# Altium PCB PCB_Kasli.PCBDOC (part 7 of 16)
Units mm, origin at the board's own origin, x right, y up, seen from the top; angles counter-clockwise.
Board outline 200.3 x 100 mm, 6 copper layers (TopLayer, MidLayer1, MidLayer2, SignalLayer1, Internal Plane 1, BottomLayer), stack 1.528 mm thick; 775 components, 636 nets, 3136 pads, 1724 vias.
Unrouted connection lines stored in the file: 7.
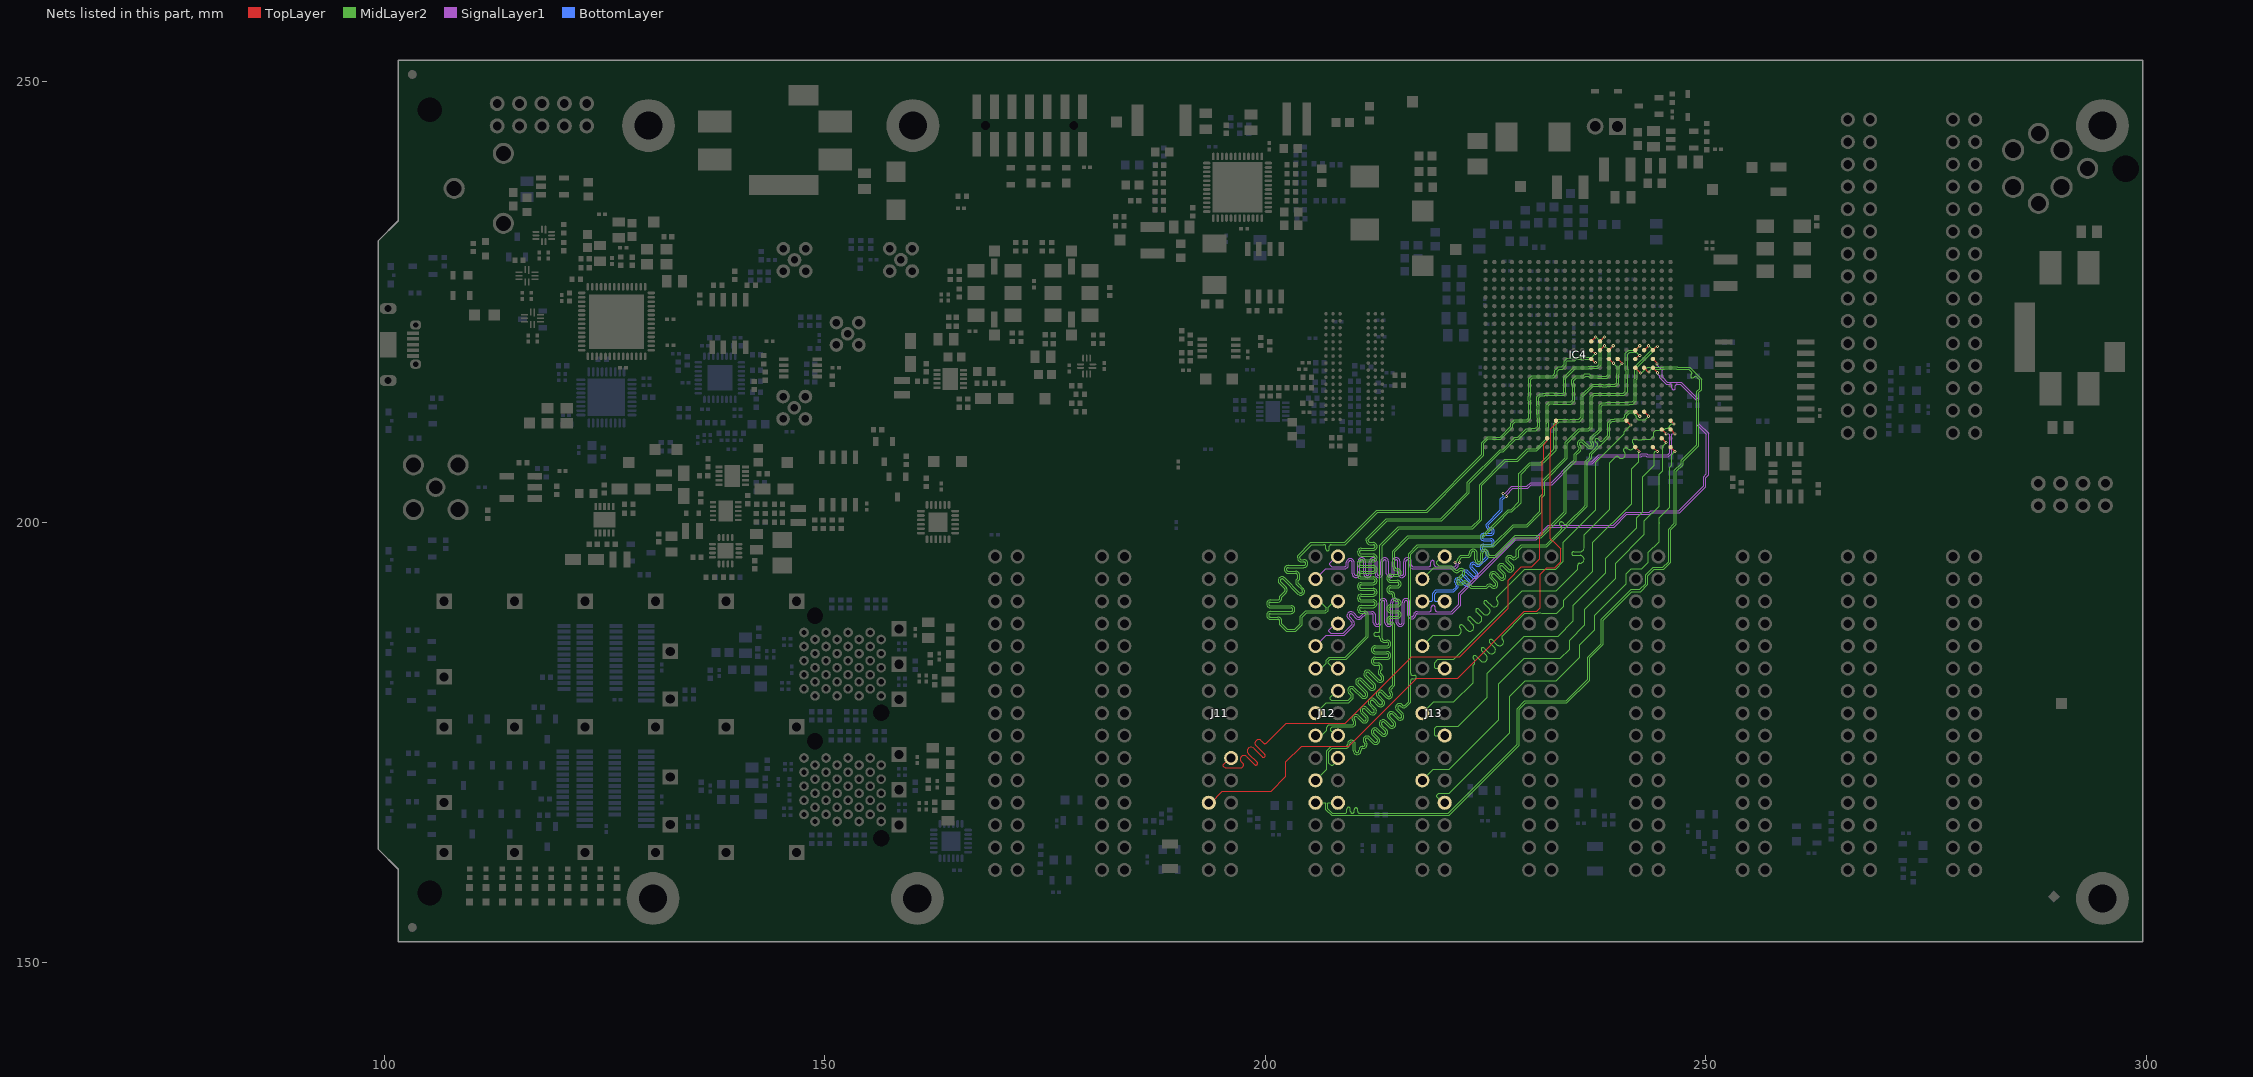
[diagram p11: the nets of this part, all layers, seen from the top]

## Via types
v1: diameter 0.5, hole 0.2, TopLayer to BottomLayer, tented both sides, 845 vias
v2: diameter 0.35, hole 0.15, TopLayer to BottomLayer, tented both sides, 612 vias
v3: diameter 0.8, hole 0.5, TopLayer to BottomLayer, tented both sides, 144 vias
v4: diameter 0.8, hole 0.5, TopLayer to BottomLayer, 66 vias
v5: diameter 0.5, hole 0.2, TopLayer to BottomLayer, 57 vias

## Nets (pads, with @x,y where several pads share a name; then routed paths per layer and width w, separated by ;. In a path a pad name is that pad's centre, name@x,y a point inside that pad or via, vN(x,y) a via of type N, cw(c..) or ccw(c..) an arc to the next point about the centre after c; other vN are vias at no path point) (continued)
EXT2.LVDS_P6: IC4.AA8 J11.20 | length 71.2
  TopLayer w0.095: J11.20@196.015,173.228 195.253,172.466 195.253,172.314 195.431,172.136 197.304,172.136 197.483,172.314 ccw(c197.343,172.453) 197.54,172.453 ccw(c197.343,172.453) 197.483,172.593 197.287,172.788 cw(c197.582,173.083) 197.287,173.379 cw(c197.582,173.083) 197.877,173.379 198.78,172.476 ccw(c198.919,172.616) 199.059,172.476 ccw(c198.919,172.616) 199.117,172.616 ccw(c198.919,172.616) 199.059,172.756 198.08,173.735 cw(c198.375,174.03) 198.08,174.325 cw(c198.375,174.03) 198.67,174.325 199.65,173.346 ccw(c199.789,173.486) 199.928,173.346 ccw(c199.789,173.486) 199.987,173.486 ccw(c199.789,173.486) 199.929,173.625 198.95,174.605 cw(c199.245,174.9) 198.95,175.195 cw(c199.245,174.9) 199.54,175.195 199.812,174.923 ccw(c199.952,175.062) 200.092,174.923 202.359,177.19 209.09,177.19 216.634,184.734 222.059,184.734 227.545,190.221 227.545,193.417 229.053,194.925 230.264,194.925 231.155,195.816 231.155,198.261 231.155,198.366 231.423,198.634 231.423,203.159 231.467,203.203 231.467,203.697 231.423,203.741 231.423,206.933 231.578,207.087 231.578,208.804 231.991,209.218 IC4.AA8@231.991,209.515
EXT2.LVDS_P7: IC4.W9 J11.23 | length 71.2
  TopLayer w0.095: J11.23@193.584,168.148 193.842,168.148 195.138,169.443 200.647,169.443 202.349,171.145 202.349,172.794 204.128,174.574 209.446,174.574 217.167,182.296 221.815,182.296 229.385,189.865 230.813,189.865 231.215,190.267 231.215,194.096 231.944,194.825 232.844,194.825 233.53,195.511 233.53,196.953 232.942,197.541 232.355,198.129 232.355,207.747 232.378,207.77 232.378,210.604 232.991,211.218 IC4.W9@232.991,211.515
EXT3.LVDS_N0: IC4.L20 J12.3 | length 81.5
  TopLayer w0.095: IC4.L20@243.991,219.515 244.449,219.973 244.475,219.948 v2(244.504,219.948)
  MidLayer2 w0.115: v2(222.05,195.428) 222.05,195.734 222.303,195.986 222.939,195.986 ccw(c222.939,196.429) 223.382,196.429 223.382,196.479 cw(c223.589,196.479) 223.797,196.479 223.797,195.729 ccw(c224.239,195.729) 224.682,195.729 224.682,196.479 cw(c224.889,196.479) 225.097,196.479 225.097,196.429 ccw(c225.539,196.429) 225.539,195.986 226.218,195.986 228.479,198.247 231.343,198.247 234.15,201.054 234.15,205.843 235.284,206.977 235.284,207.618 235.729,208.064 ccw(c235.416,208.377) 235.859,208.377 ccw(c235.416,208.377) 235.729,208.69 235.694,208.725 cw(c235.841,208.872) 235.694,209.018 cw(c235.841,208.872) 235.987,209.018 236.518,208.488 ccw(c236.831,208.801) 237.144,208.488 ccw(c236.831,208.801) 237.273,208.801 ccw(c236.831,208.801) 237.144,209.114 237.108,209.149 cw(c237.255,209.296) 237.108,209.443 238.109,210.443 238.109,211.665 238.148,211.704 238.148,212.542 238.137,212.553 238.137,213.156 238.291,213.31 238.74,213.31 238.775,213.345 240.444,213.345 241.281,213.345 241.333,213.397 241.747,213.397 242.109,213.759 242.109,216.173 242.187,216.251 242.187,217.552 244.079,219.444 244.079,219.643 244.383,219.948 v2(244.504,219.948) v2@244.504,219.869
  SignalLayer1 w0.115: J12.3@205.704,193.548 206.866,194.71 208.995,194.71 ccw(c208.995,195.153) 209.437,195.153 209.437,195.425 cw(c209.645,195.425) 209.852,195.425 209.852,194.152 ccw(c210.295,194.152) 210.737,194.152 210.737,195.502 cw(c210.945,195.502) 211.152,195.502 211.152,194.152 ccw(c211.595,194.152) 212.037,194.152 212.037,195.502 cw(c212.245,195.502) 212.452,195.502 212.452,194.152 ccw(c212.895,194.152) 213.337,194.152 213.337,195.502 cw(c213.545,195.502) 213.752,195.502 213.752,194.152 ccw(c214.195,194.152) 214.637,194.152 214.637,195.502 cw(c214.845,195.502) 215.052,195.502 215.052,194.152 ccw(c215.495,194.152) 215.937,194.152 215.937,195.502 cw(c216.145,195.502) 216.352,195.502 216.352,195.153 ccw(c216.795,195.153) 216.795,194.71 221.623,194.71 221.902,194.99 221.902,195.243 222.05,195.391 v2(222.05,195.428)
EXT3.LVDS_N1: IC4.L13 J12.6 | length 82.9
  TopLayer w0.095: IC4.L13@236.991,219.515 237.421,219.085 237.469,219.134 v2(237.469,219.125)
  MidLayer2 w0.115: 204.166,192 cw(c204.019,192.147) 203.873,192 202.211,193.662 ccw(c201.898,193.349) 201.585,193.662 ccw(c201.898,193.349) 201.585,193.036 202.186,192.435 cw(c202.039,192.289) 202.247,192.289 cw(c202.039,192.289) 202.186,192.142 201.634,191.59 201.634,191.366 cw(c201.427,191.366) 201.427,191.159 200.577,191.159 ccw(c200.577,190.716) 200.577,190.274 202.927,190.274 cw(c202.927,190.066) 203.134,190.066 cw(c202.927,190.066) 202.927,189.859 200.577,189.859 ccw(c200.577,189.416) 200.577,188.974 201.427,188.974 cw(c201.427,188.766) 201.634,188.766 201.634,188.378 202.397,187.615 203.442,187.615 204.204,188.378 204.204,189.203 204.702,189.7 206.877,189.7 207.129,189.953 207.129,190.336 J12.6@207.801,191.008 ; 204.166,192 ccw(c204.019,192.147) 204.227,192.147 ccw(c204.019,192.147) 204.166,192.294 203.565,192.895 cw(c203.878,193.208) 203.565,193.521 203.654,193.61 203.654,193.986 ccw(c203.447,193.986) 203.447,194.194 202.597,194.194 cw(c202.597,194.636) 202.597,195.079 204.377,195.079 ccw(c204.377,195.286) 204.585,195.286 ccw(c204.377,195.286) 204.377,195.494 204.097,195.494 cw(c204.097,195.936) 203.654,195.936 203.654,196.16 205.183,197.688 208.993,197.688 212.676,201.371 218.28,201.371 224.584,207.675 224.584,209.021 225.231,209.669 225.296,209.669 225.305,209.678 225.817,209.678 225.885,209.61 226.213,209.61 226.236,209.632 226.65,209.632 227.874,210.857 227.874,211.229 228.278,211.632 229.65,211.632 229.874,211.857 229.874,213.689 229.815,213.748 229.815,214.26 229.874,214.319 229.874,216.271 230.236,216.632 232.637,216.632 232.872,216.868 232.872,217.241 233.241,217.609 233.639,217.609 233.945,217.915 233.945,218.281 234.231,218.567 235.047,218.567 235.172,218.693 237.063,218.693 237.469,219.099 v2(237.469,219.125)
  SignalLayer1 w0.115: J12.6@207.801,191.008 J12.6@208.244,191.008
EXT3.LVDS_N2: IC4.M20 J12.9 | length 89.1
  TopLayer w0.095: IC4.M20@243.991,218.515 244.456,218.051 v2(244.456,217.96)
  SignalLayer1 w0.115: J12.9@205.704,185.928 206.916,187.14 208.959,187.14 209.994,188.175 ccw(c209.682,188.488) 210.124,188.488 ccw(c209.682,188.488) 209.994,188.801 209.561,189.234 cw(c209.708,189.381) 209.561,189.527 ; 209.561,189.527 cw(c209.708,189.381) 209.855,189.527 210.288,189.094 ccw(c210.601,189.407) 210.914,189.094 211.434,189.615 212.069,189.615 cw(c212.069,189.407) 212.277,189.407 212.277,188.593 ccw(c212.719,188.593) 213.162,188.593 213.162,190.872 cw(c213.369,190.872) 213.577,190.872 213.577,188.593 ccw(c214.019,188.593) 214.462,188.593 214.462,190.872 cw(c214.669,190.872) 214.877,190.872 214.877,188.593 ccw(c215.319,188.593) 215.762,188.593 215.762,190.872 cw(c215.969,190.872) 216.177,190.872 216.177,189.444 ccw(c216.619,189.444) 217.062,189.444 cw(c217.232,189.444) 217.232,189.615 221.217,189.615 222.179,190.578 222.179,191.747 228.433,198 230.775,198 232.184,199.409 239.578,199.409 241.044,200.875 243.659,200.875 243.834,201.05 247.025,201.05 249.991,204.016 249.991,205.059 250.3,205.368 250.3,210.068 249.218,211.15 249.218,213.884 247.21,215.891 245.61,215.891 245.026,216.475 245.026,217.253 v2@244.387,217.892
EXT3.LVDS_N3: IC4.K14 J12.12 | length 81.9
  TopLayer w0.095: IC4.K14@237.991,220.515 v2(238.491,221.015)
  MidLayer2 w0.115: J12.12@208.244,183.388 207.725,183.388 207.141,183.972 207.141,184.226 207.363,184.448 209.168,184.448 211.687,186.967 211.687,189.442 ccw(c211.245,189.442) 211.245,189.885 210.895,189.885 cw(c210.895,190.092) 210.895,190.3 212.245,190.3 ccw(c212.245,190.742) 212.687,190.742 ccw(c212.245,190.742) 212.245,191.185 210.895,191.185 cw(c210.895,191.392) 210.895,191.6 212.245,191.6 ccw(c212.245,192.042) 212.687,192.042 ccw(c212.245,192.042) 212.245,192.485 210.895,192.485 cw(c210.895,192.692) 210.895,192.9 212.245,192.9 ccw(c212.245,193.342) 212.687,193.342 ccw(c212.245,193.342) 212.245,193.785 210.895,193.785 cw(c210.895,193.992) 210.895,194.2 212.245,194.2 ccw(c212.245,194.642) 212.687,194.642 ccw(c212.245,194.642) 212.245,195.085 210.895,195.085 cw(c210.895,195.292) 210.895,195.5 212.245,195.5 ccw(c212.245,195.942) 212.687,195.942 ccw(c212.245,195.942) 212.245,196.385 210.895,196.385 cw(c210.895,196.592) 210.895,196.8 212.245,196.8 ccw(c212.245,197.242) 212.687,197.242 ccw(c212.245,197.242) 212.245,197.685 211.895,197.685 cw(c211.895,197.892) 211.687,197.892 211.687,198.018 213.821,200.152 220.002,200.152 223.161,203.311 223.161,204.421 226.743,208.003 227.025,208.003 228.419,209.397 228.747,209.397 229.723,210.373 230.302,210.373 230.322,210.393 230.638,210.393 230.658,210.373 230.723,210.373 231.142,210.792 231.142,211.823 231.109,211.857 231.109,212.271 231.062,212.318 231.062,212.712 231.109,212.759 231.109,213.271 231.062,213.318 231.062,214.126 231.286,214.35 231.695,214.35 231.742,214.397 232.276,214.397 232.297,214.418 232.614,214.418 232.634,214.397 233.928,214.397 234.098,214.567 234.098,214.852 234.098,215.169 234.098,215.301 234.09,215.309 234.09,215.74 234.109,215.759 234.109,216.271 234.09,216.29 234.09,216.316 235.183,217.409 236.224,217.409 236.236,217.397 236.747,217.397 236.79,217.44 237.757,217.44 238.109,217.792 238.109,220.633 v2(238.491,221.015) ; 234.75,216.976 235.172,217.397
EXT3.LVDS_N4: IC4.L15 J12.15 | length 84.6
  TopLayer w0.095: IC4.L15@238.991,219.515 v2(239.491,220.015)
  MidLayer2 w0.115: J12.15@205.704,178.308 206.917,179.521 209.496,179.521 209.875,179.899 ccw(c209.562,180.212) 210.004,180.212 ccw(c209.562,180.212) 209.875,180.525 209.646,180.754 cw(c209.793,180.901) 209.646,181.047 ; 209.646,181.047 cw(c209.793,180.901) 209.94,181.047 210.875,180.111 ccw(c211.188,180.424) 211.501,180.111 ccw(c211.188,180.424) 211.631,180.424 ccw(c211.188,180.424) 211.501,180.737 210.547,181.692 cw(c210.693,181.839) 210.546,181.985 ; 210.547,181.985 cw(c210.693,181.839) 210.84,181.985 211.795,181.031 ccw(c212.108,181.344) 212.42,181.031 ccw(c212.108,181.344) 212.55,181.344 ccw(c212.108,181.344) 212.42,181.656 211.466,182.611 cw(c211.613,182.758) 211.465,182.904 ; 211.466,182.904 cw(c211.613,182.758) 211.759,182.904 212.714,181.95 ccw(c213.027,182.263) 213.34,181.95 ccw(c213.027,182.263) 213.469,182.263 ccw(c213.027,182.263) 213.34,182.576 213.092,182.823 cw(c213.239,182.97) 213.092,183.117 213.25,183.275 213.25,183.567 ccw(c212.808,183.567) 212.808,184.009 212.458,184.009 cw(c212.458,184.217) 212.458,184.424 213.808,184.424 ccw(c213.808,184.867) 214.25,184.867 ccw(c213.808,184.867) 213.808,185.309 212.458,185.309 cw(c212.458,185.517) 212.458,185.724 213.808,185.724 ccw(c213.808,186.167) 214.25,186.167 ccw(c213.808,186.167) 213.808,186.609 213.458,186.609 cw(c213.458,186.817) 213.25,186.817 213.25,197.296 215.192,199.238 223.546,199.238 224.554,200.246 224.554,204.157 227.283,206.886 228.627,206.886 229.834,208.093 230.821,208.093 232.109,209.381 232.109,210.718 232.142,210.751 232.142,211.263 232.109,211.296 232.109,212.986 232.123,213 232.123,213.194 232.347,213.418 232.664,213.418 232.684,213.397 234.236,213.397 234.747,213.397 235.124,213.774 235.124,215.576 235.023,215.677 235.023,216.066 235.339,216.383 236.155,216.383 236.345,216.573 236.662,216.573 236.837,216.397 237.392,216.397 237.65,216.397 237.704,216.343 238.786,216.343 239.148,216.705 239.148,217.856 239.137,217.867 239.137,218.183 239.148,218.194 239.148,219.671 v2(239.491,220.015)
EXT3.LVDS_N5: IC4.M16 J12.18 | length 84.5
  TopLayer w0.095: IC4.M16@239.991,218.515 v2(240.491,218.015)
  MidLayer2 w0.115: J12.18@208.244,175.768 207.951,175.768 207.419,176.3 207.419,176.6 207.572,176.752 210,176.752 210.158,176.91 ccw(c209.845,177.223) 210.288,177.223 ccw(c209.845,177.223) 210.158,177.536 210.123,177.572 cw(c210.27,177.718) 210.123,177.865 cw(c210.27,177.718) 210.416,177.865 210.947,177.335 ccw(c211.26,177.648) 211.702,177.648 ccw(c211.26,177.648) 211.573,177.96 211.042,178.491 cw(c211.189,178.637) 211.042,178.784 cw(c211.189,178.637) 211.336,178.784 211.866,178.254 ccw(c212.179,178.567) 212.621,178.567 ccw(c212.179,178.567) 212.492,178.88 211.961,179.41 cw(c212.108,179.557) 211.961,179.703 ; 211.961,179.703 cw(c212.108,179.557) 212.255,179.703 212.785,179.173 ccw(c213.098,179.486) 213.541,179.486 ccw(c213.098,179.486) 213.411,179.799 212.881,180.329 cw(c213.027,180.476) 212.88,180.622 ; 212.881,180.623 cw(c213.027,180.476) 213.174,180.623 213.704,180.092 ccw(c214.017,180.405) 214.46,180.405 ccw(c214.017,180.405) 214.33,180.718 214.295,180.753 cw(c214.442,180.9) 214.295,181.047 214.71,181.462 214.71,188.214 ccw(c214.267,188.214) 214.267,188.657 214.217,188.657 cw(c214.217,188.864) 214.217,189.072 214.967,189.072 ccw(c214.967,189.514) 215.41,189.514 ccw(c214.967,189.514) 214.967,189.957 214.217,189.957 cw(c214.217,190.164) 214.217,190.372 214.967,190.372 ccw(c214.967,190.814) 215.41,190.814 ccw(c214.967,190.814) 214.967,191.257 214.917,191.257 cw(c214.917,191.464) 214.71,191.464 214.71,191.668 ccw(c214.267,191.668) 214.267,192.111 214.217,192.111 cw(c214.217,192.318) 214.217,192.526 214.967,192.526 ccw(c214.967,192.968) 215.41,192.968 ccw(c214.967,192.968) 214.967,193.411 214.217,193.411 cw(c214.217,193.618) 214.217,193.826 214.967,193.826 ccw(c214.967,194.268) 215.41,194.268 ccw(c214.967,194.268) 214.967,194.711 214.917,194.711 cw(c214.917,194.918) 214.71,194.918 214.71,196.621 216.285,198.196 224.698,198.196 226.494,199.992 226.494,200.004 227.652,201.162 227.987,201.162 229.022,202.197 229.022,205.43 230.084,206.492 231.329,206.492 231.823,206.986 ; 231.823,206.987 232.998,208.162 232.998,211.078 233.334,211.415 234.18,211.415 234.215,211.38 234.727,211.38 234.762,211.415 235.676,211.415 236.112,211.851 236.112,212.124 236.112,214.274 237.236,215.397 238.173,215.397 238.228,215.342 238.74,215.342 238.795,215.397 239.778,215.397 240.109,215.728 240.109,216.711 240.169,216.771 240.169,217.692 v2(240.491,218.015)
EXT3.LVDS_N6: IC4.L18 J12.21 | length 88.2
  TopLayer w0.095: IC4.L18@241.991,219.515 v2(242.491,220.015)
  MidLayer2 w0.115: J12.21@205.704,170.688 206.982,171.966 206.982,174.037 207.494,174.549 209.122,174.549 ccw(c209.122,174.756) 209.329,174.756 209.329,174.806 cw(c209.772,174.806) 210.214,174.806 210.214,174.056 ccw(c210.422,174.056) 210.629,174.056 210.629,174.132 cw(c211.046,174.132) 211.046,174.549 211.173,174.549 211.262,174.638 ccw(c211.115,174.785) 211.323,174.785 ccw(c211.115,174.785) 211.262,174.932 211.227,174.967 cw(c211.54,175.28) 211.853,175.593 212.383,175.062 ccw(c212.53,175.209) 212.676,175.062 ; 212.676,175.062 ccw(c212.53,175.209) 212.737,175.209 ccw(c212.53,175.209) 212.676,175.356 212.146,175.886 cw(c212.459,176.199) 212.772,176.512 213.302,175.982 ccw(c213.449,176.128) 213.595,175.981 ; 213.596,175.982 ccw(c213.449,176.128) 213.656,176.128 ccw(c213.449,176.128) 213.596,176.275 213.065,176.805 cw(c213.378,177.118) 213.691,177.431 214.221,176.901 ccw(c214.368,177.048) 214.514,176.9 ccw(c214.368,177.048) 214.576,177.048 ccw(c214.368,177.048) 214.515,177.194 213.984,177.725 cw(c214.297,178.038) 214.61,178.35 215.141,177.82 ccw(c215.287,177.967) 215.434,177.82 ; 215.434,177.82 ccw(c215.287,177.967) 215.495,177.967 ccw(c215.287,177.967) 215.434,178.114 214.904,178.644 cw(c215.217,178.957) 215.53,179.27 215.565,179.234 ccw(c215.712,179.381) 215.858,179.234 216.253,179.629 216.253,196.426 217.268,197.441 225.841,197.441 228.127,199.727 229.651,199.727 231.15,201.225 231.15,202.871 231.477,203.198 231.477,204.761 234.033,207.317 234.033,209.062 235.573,210.603 236.639,210.603 236.863,210.827 236.863,211.216 236.886,211.238 236.886,213.849 236.888,213.852 236.888,214.266 237.25,214.628 237.794,214.628 237.808,214.614 240.62,214.614 240.874,214.867 240.874,216.793 240.94,216.859 240.94,217.194 240.874,217.261 240.874,219.137 241.247,219.51 241.986,219.51 v2(242.491,220.015)
EXT3.LVDS_N7: IC4.N19 J12.24 | length 90.4
  TopLayer w0.095: IC4.N19@242.991,217.515 243.48,217.027 v2(243.539,217.027)
  MidLayer2 w0.115: J12.24@208.244,168.148 207.159,168.148 207.091,168.081 207.091,167.478 207.615,166.954 209.044,166.954 ccw(c209.044,167.162) 209.252,167.162 209.252,167.431 cw(c209.459,167.431) 209.459,167.638 cw(c209.459,167.431) 209.667,167.431 209.667,167.162 ccw(c209.874,167.162) 209.874,166.954 ccw(c209.874,167.162) 210.082,167.162 210.082,167.36 cw(c210.289,167.36) 210.289,167.567 cw(c210.289,167.36) 210.497,167.36 210.497,167.162 ccw(c210.704,167.162) 210.704,166.954 210.912,166.954 211.169,166.954 220.753,166.954 228.572,174.773 228.572,178.836 229.441,179.705 234.141,179.705 236.598,182.162 236.598,184.683 238.122,186.207 238.122,188.967 241.506,192.351 242.497,192.351 243.177,193.03 243.177,194.021 244.046,194.891 245.128,194.891 245.759,195.522 245.759,199.204 246.428,199.873 246.428,205.87 247.189,206.631 247.189,206.994 248.983,208.788 248.983,214.825 249.279,215.122 249.279,216.138 249.093,216.324 248.954,216.463 ccw(c248.808,216.316) 248.661,216.463 248.616,216.418 cw(c248.469,216.564) 248.322,216.418 cw(c248.469,216.564) 248.322,216.711 248.367,216.756 ccw(c248.221,216.903) 248.367,217.049 248.221,217.196 248.074,217.343 246.704,217.343 246.65,217.397 245.333,217.397 245.278,217.343 243.819,217.343 243.539,217.062 v2(243.539,217.027) v2@243.539,216.929
EXT3.LVDS_P0: IC4.L19 J12.2 | length 81.4
  TopLayer w0.095: IC4.L19@242.991,219.515 v2(243.491,220.015)
  MidLayer2 w0.115: v2(221.53,195.435) 221.53,195.448 221.815,195.734 221.815,195.831 222.206,196.221 222.939,196.221 ccw(c222.939,196.429) 223.147,196.429 223.147,196.479 cw(c223.589,196.479) 224.032,196.479 224.032,195.729 ccw(c224.239,195.729) 224.447,195.729 224.447,196.479 cw(c224.889,196.479) 225.332,196.479 225.332,196.429 ccw(c225.539,196.429) 225.539,196.221 226.121,196.221 228.381,198.482 231.245,198.482 232.282,199.518 233.915,201.152 233.915,205.941 235.049,207.074 235.049,207.716 235.563,208.23 ccw(c235.416,208.377) 235.624,208.377 ccw(c235.416,208.377) 235.563,208.523 235.528,208.559 cw(c235.841,208.872) 235.528,209.185 cw(c235.841,208.872) 236.154,209.185 236.684,208.654 ccw(c236.831,208.801) 236.977,208.654 ccw(c236.831,208.801) 237.038,208.801 ccw(c236.831,208.801) 236.977,208.948 236.942,208.983 cw(c237.255,209.296) 236.942,209.609 237.874,210.541 237.874,211.763 237.913,211.802 237.913,212.445 237.902,212.456 237.902,213.253 238.194,213.545 238.643,213.545 238.677,213.58 241.183,213.58 241.236,213.632 241.65,213.632 241.874,213.857 241.874,216.271 241.952,216.349 241.952,217.65 243.844,219.541 243.844,219.663 v2(243.491,220.015)
  SignalLayer1 w0.115: J12.2@208.055,196.088 207.318,195.351 207.318,195.148 207.522,194.945 208.995,194.945 ccw(c208.995,195.153) 209.202,195.153 209.202,195.425 cw(c209.645,195.425) 210.087,195.425 210.087,194.152 ccw(c210.295,194.152) 210.502,194.152 210.502,195.502 cw(c210.945,195.502) 211.387,195.502 211.387,194.152 ccw(c211.595,194.152) 211.802,194.152 211.802,195.502 cw(c212.245,195.502) 212.687,195.502 212.687,194.152 ccw(c212.895,194.152) 213.102,194.152 213.102,195.502 cw(c213.545,195.502) 213.987,195.502 213.987,194.152 ccw(c214.195,194.152) 214.402,194.152 214.402,195.502 cw(c214.845,195.502) 215.287,195.502 215.287,194.152 ccw(c215.495,194.152) 215.702,194.152 215.702,195.502 cw(c216.145,195.502) 216.587,195.502 216.587,195.153 ccw(c216.795,195.153) 216.795,194.945 218.569,194.945 ccw(c218.569,195.153) 218.777,195.153 218.777,195.438 cw(c218.984,195.438) 218.984,195.645 cw(c218.984,195.438) 219.192,195.438 219.192,195.153 ccw(c219.399,195.153) 219.399,194.945 219.607,194.945 219.969,194.945 221.525,194.945 221.667,195.087 221.667,195.25 221.53,195.387 v2(221.53,195.435)
EXT3.LVDS_P1: IC4.M13 J12.5 | length 83.6
  TopLayer w0.095: IC4.M13@236.991,218.515 237.464,218.043 237.469,218.048 v2(237.469,218.1)
  MidLayer2 w0.115: J12.5@205.704,191.008 206.161,191.008 206.894,190.275 206.894,190.05 206.779,189.935 204.604,189.935 203.969,189.3 203.969,188.475 203.344,187.85 202.494,187.85 201.869,188.475 201.869,188.766 ccw(c201.427,188.766) 201.427,189.209 200.577,189.209 cw(c200.577,189.416) 200.577,189.624 202.927,189.624 ccw(c202.927,190.066) 203.369,190.066 ccw(c202.927,190.066) 202.927,190.509 200.577,190.509 cw(c200.577,190.716) 200.577,190.924 201.427,190.924 ccw(c201.427,191.366) 201.869,191.366 201.869,191.493 202.352,191.976 ccw(c202.039,192.289) 202.482,192.289 ccw(c202.039,192.289) 202.352,192.601 201.751,193.202 cw(c201.898,193.349) 201.751,193.495 cw(c201.898,193.349) 202.045,193.496 203.706,191.834 ccw(c204.019,192.147) 204.332,191.834 ccw(c204.019,192.147) 204.462,192.147 ccw(c204.019,192.147) 204.332,192.46 203.731,193.061 cw(c203.878,193.208) 203.731,193.354 203.889,193.513 203.889,193.986 ccw(c203.447,193.986) 203.447,194.429 202.597,194.429 cw(c202.597,194.636) 202.597,194.844 204.377,194.844 ccw(c204.377,195.286) 204.82,195.286 ccw(c204.377,195.286) 204.377,195.729 204.097,195.729 cw(c204.097,195.936) 203.889,195.936 203.889,196.063 205.28,197.453 206.244,197.453 206.452,197.453 206.659,197.453 cw(c206.659,197.246) 206.867,197.246 206.867,196.961 ccw(c207.074,196.961) 207.074,196.753 ccw(c207.074,196.961) 207.282,196.961 207.282,197.246 cw(c207.489,197.246) 207.489,197.453 208.094,197.453 209.09,197.453 212.773,201.136 218.377,201.136 222.646,205.405 224.819,207.578 224.819,208.924 225.329,209.434 225.393,209.434 225.403,209.443 225.719,209.443 225.787,209.375 226.31,209.375 226.333,209.397 226.747,209.397 228.109,210.759 228.109,211.131 228.375,211.397 229.747,211.397 230.109,211.759 230.109,213.787 230.05,213.846 230.05,214.162 230.109,214.221 230.109,216.173 230.333,216.397 230.462,216.397 232.734,216.397 233.107,216.771 233.107,217.144 233.338,217.374 233.736,217.374 234.18,217.818 234.18,218.183 234.329,218.332 235.144,218.332 235.269,218.458 237.049,218.458 237.464,218.043 237.469,218.048 v2(237.469,218.1)
  SignalLayer1 w0.115: J12.5@205.704,191.008 J12.5@206.398,191.008
EXT3.LVDS_P2: IC4.N20 J12.8 | length 89.2
  TopLayer w0.095: IC4.N20@243.991,217.515 244.504,217.002 v2(244.504,216.95)
  SignalLayer1 w0.115: J12.8@208.244,188.468 207.962,188.468 207.194,187.7 207.194,187.6 207.419,187.375 208.862,187.375 209.828,188.341 ccw(c209.682,188.488) 209.889,188.488 ccw(c209.682,188.488) 209.828,188.635 209.395,189.068 cw(c209.708,189.381) 209.395,189.694 cw(c209.708,189.381) 210.021,189.694 210.454,189.26 ccw(c210.601,189.407) 210.747,189.26 211.337,189.85 212.069,189.85 cw(c212.069,189.407) 212.512,189.407 212.512,188.593 ccw(c212.719,188.593) 212.927,188.593 212.927,190.872 cw(c213.369,190.872) 213.812,190.872 213.812,188.593 ccw(c214.019,188.593) 214.227,188.593 214.227,190.872 cw(c214.669,190.872) 215.112,190.872 215.112,188.593 ccw(c215.319,188.593) 215.527,188.593 215.527,190.872 cw(c215.969,190.872) 216.412,190.872 216.412,189.444 ccw(c216.619,189.444) 216.827,189.444 cw(c217.232,189.444) 217.232,189.85 218.644,189.85 ccw(c218.644,190.057) 218.852,190.057 218.852,190.342 cw(c219.059,190.342) 219.059,190.55 cw(c219.059,190.342) 219.267,190.342 219.267,190.057 ccw(c219.474,190.057) 219.474,189.85 219.682,189.85 220.069,189.85 221.119,189.85 221.944,190.675 221.944,191.844 228.335,198.235 230.678,198.235 232.087,199.644 239.481,199.644 240.947,201.11 243.561,201.11 243.736,201.285 246.928,201.285 249.756,204.114 249.756,205.156 250.065,205.465 250.065,209.97 248.983,211.053 248.983,213.786 247.113,215.656 246.951,215.656 246.758,215.656 ccw(c246.758,215.448) 246.55,215.448 246.55,215.219 cw(c246.343,215.219) 246.343,215.012 cw(c246.343,215.219) 246.135,215.219 246.135,215.448 ccw(c245.928,215.448) 245.928,215.656 245.72,215.656 245.513,215.656 244.791,216.378 244.791,216.526 v2@244.435,216.882
EXT3.LVDS_P3: IC4.K13 J12.11 | length 81.3
  TopLayer w0.095: IC4.K13@236.991,220.515 v2(237.491,221.015)
  MidLayer2 w0.115: J12.11@205.704,183.388 206.321,183.388 206.906,183.972 206.906,184.324 207.265,184.683 209.071,184.683 211.452,187.065 211.452,189.442 ccw(c211.245,189.442) 211.245,189.65 210.895,189.65 cw(c210.895,190.092) 210.895,190.535 212.245,190.535 ccw(c212.245,190.742) 212.452,190.742 ccw(c212.245,190.742) 212.245,190.95 210.895,190.95 cw(c210.895,191.392) 210.895,191.835 212.245,191.835 ccw(c212.245,192.042) 212.452,192.042 ccw(c212.245,192.042) 212.245,192.25 210.895,192.25 cw(c210.895,192.692) 210.895,193.135 212.245,193.135 ccw(c212.245,193.342) 212.452,193.342 ccw(c212.245,193.342) 212.245,193.55 210.895,193.55 cw(c210.895,193.992) 210.895,194.435 212.245,194.435 ccw(c212.245,194.642) 212.452,194.642 ccw(c212.245,194.642) 212.245,194.85 210.895,194.85 cw(c210.895,195.292) 210.895,195.735 212.245,195.735 ccw(c212.245,195.942) 212.452,195.942 ccw(c212.245,195.942) 212.245,196.15 210.895,196.15 cw(c210.895,196.592) 210.895,197.035 212.245,197.035 ccw(c212.245,197.242) 212.452,197.242 ccw(c212.245,197.242) 212.245,197.45 211.895,197.45 cw(c211.895,197.892) 211.452,197.892 211.452,198.116 213.723,200.387 219.905,200.387 222.926,203.408 222.926,204.518 226.646,208.238 226.927,208.238 228.327,209.638 228.333,209.632 228.65,209.632 229.626,210.608 230.205,210.608 230.224,210.628 230.645,210.628 230.907,210.89 230.907,211.726 230.874,211.759 230.874,212.173 230.827,212.22 230.827,212.809 230.874,212.857 230.874,213.173 230.827,213.22 230.827,214.224 231.189,214.585 231.521,214.585 231.568,214.632 232.179,214.632 232.199,214.653 232.711,214.653 232.731,214.632 233.831,214.632 233.863,214.664 233.863,214.754 233.863,215.204 233.855,215.212 233.855,215.838 233.874,215.857 233.874,216.173 233.855,216.192 233.855,216.414 235.085,217.644 236.321,217.644 236.333,217.632 236.65,217.632 236.692,217.675 237.659,217.675 237.874,217.89 237.874,220.633 v2(237.491,221.015)
EXT3.LVDS_P4: IC4.L14 J12.14 | length 84.4
  TopLayer w0.095: IC4.L14@237.991,219.515 v2(238.491,220.015)
  MidLayer2 w0.115: J12.14@208.08,180.848 207.344,180.111 207.344,179.908 207.496,179.756 209.399,179.756 209.709,180.065 ccw(c209.562,180.212) 209.769,180.212 ccw(c209.562,180.212) 209.709,180.359 209.48,180.588 cw(c209.793,180.901) 209.48,181.213 cw(c209.793,180.901) 210.106,181.213 211.042,180.278 ccw(c211.188,180.424) 211.335,180.277 ; 211.335,180.278 ccw(c211.188,180.424) 211.396,180.424 ccw(c211.188,180.424) 211.335,180.571 210.38,181.526 cw(c210.693,181.839) 210.38,182.151 cw(c210.693,181.839) 211.006,182.151 211.961,181.197 ccw(c212.108,181.344) 212.254,181.196 ; 212.254,181.197 ccw(c212.108,181.344) 212.315,181.344 ccw(c212.108,181.344) 212.254,181.49 211.3,182.445 cw(c211.613,182.758) 211.3,183.071 cw(c211.613,182.758) 211.925,183.071 212.88,182.116 ccw(c213.027,182.263) 213.173,182.116 ; 213.174,182.116 ccw(c213.027,182.263) 213.234,182.263 ccw(c213.027,182.263) 213.174,182.41 212.926,182.657 cw(c213.239,182.97) 212.926,183.283 213.015,183.372 213.015,183.567 ccw(c212.808,183.567) 212.808,183.774 212.458,183.774 cw(c212.458,184.217) 212.458,184.659 213.808,184.659 ccw(c213.808,184.867) 214.015,184.867 ccw(c213.808,184.867) 213.808,185.074 212.458,185.074 cw(c212.458,185.517) 212.458,185.959 213.808,185.959 ccw(c213.808,186.167) 214.015,186.167 ccw(c213.808,186.167) 213.808,186.374 213.458,186.374 cw(c213.458,186.817) 213.015,186.817 213.015,186.85 ccw(c212.808,186.85) 212.808,187.057 212.523,187.057 cw(c212.523,187.265) 212.315,187.265 cw(c212.523,187.265) 212.523,187.473 212.808,187.473 ccw(c212.808,187.68) 213.015,187.68 213.015,187.888 213.015,188.125 213.015,197.393 215.095,199.473 223.448,199.473 224.319,200.343 224.319,204.254 227.185,207.121 228.53,207.121 229.67,208.261 229.67,208.264 229.735,208.328 230.723,208.328 231.874,209.479 231.874,210.815 231.907,210.848 231.907,211.165 231.874,211.198 231.874,213.152 231.888,213.166 231.888,213.291 232.249,213.653 232.761,213.653 232.781,213.632 234.333,213.632 234.65,213.632 234.889,213.872 234.889,215.478 234.788,215.58 234.788,216.163 235.242,216.618 236.058,216.618 236.247,216.808 236.759,216.808 236.934,216.632 237.295,216.632 237.747,216.632 237.802,216.578 238.689,216.578 238.913,216.802 238.913,217.758 238.902,217.769 238.902,218.281 238.913,218.292 238.913,219.594 v2(238.491,220.015)
EXT3.LVDS_P5: IC4.M15 J12.17 | length 85.2
  TopLayer w0.095: IC4.M15@238.991,218.515 239.481,218.025 v2(239.519,218.025)
  MidLayer2 w0.115: J12.17@205.704,175.768 206.321,175.768 206.956,176.403 206.956,176.729 207.215,176.987 209.903,176.987 209.992,177.077 ccw(c209.845,177.223) 210.053,177.223 ccw(c209.845,177.223) 209.992,177.37 209.957,177.405 cw(c210.27,177.718) 210.583,178.031 211.113,177.501 ccw(c211.26,177.648) 211.406,177.5 ; 211.406,177.501 ccw(c211.26,177.648) 211.467,177.648 ccw(c211.26,177.648) 211.406,177.794 210.876,178.325 cw(c211.189,178.637) 211.502,178.95 212.032,178.42 ccw(c212.179,178.567) 212.325,178.42 ; 212.326,178.42 ccw(c212.179,178.567) 212.386,178.567 ccw(c212.179,178.567) 212.326,178.713 211.795,179.244 cw(c212.108,179.557) 212.421,179.87 212.951,179.339 ccw(c213.098,179.486) 213.244,179.339 ccw(c213.098,179.486) 213.306,179.486 ccw(c213.098,179.486) 213.245,179.633 212.714,180.163 cw(c213.027,180.476) 213.34,180.789 213.871,180.259 ccw(c214.017,180.405) 214.164,180.258 ; 214.164,180.259 ccw(c214.017,180.405) 214.225,180.405 ccw(c214.017,180.405) 214.164,180.552 214.129,180.587 cw(c214.442,180.9) 214.129,181.213 214.475,181.559 214.475,188.214 ccw(c214.267,188.214) 214.267,188.422 214.217,188.422 cw(c214.217,188.864) 214.217,189.307 214.967,189.307 ccw(c214.967,189.514) 215.175,189.514 ccw(c214.967,189.514) 214.967,189.722 214.217,189.722 cw(c214.217,190.164) 214.217,190.607 214.967,190.607 ccw(c214.967,190.814) 215.175,190.814 ccw(c214.967,190.814) 214.967,191.022 214.917,191.022 cw(c214.917,191.464) 214.475,191.464 214.475,191.668 ccw(c214.267,191.668) 214.267,191.876 214.217,191.876 cw(c214.217,192.318) 214.217,192.761 214.967,192.761 ccw(c214.967,192.968) 215.175,192.968 ccw(c214.967,192.968) 214.967,193.176 214.217,193.176 cw(c214.217,193.618) 214.217,194.061 214.967,194.061 ccw(c214.967,194.268) 215.175,194.268 ccw(c214.967,194.268) 214.967,194.476 214.917,194.476 cw(c214.917,194.918) 214.475,194.918 214.475,196.719 216.187,198.431 224.601,198.431 226.259,200.089 226.259,200.101 227.555,201.397 227.889,201.397 228.787,202.294 228.787,205.528 228.855,205.597 229.986,206.727 231.232,206.727 231.588,207.083 232.763,208.259 232.763,211.176 232.864,211.277 233.237,211.65 234.278,211.65 234.313,211.615 234.629,211.615 234.664,211.65 235.579,211.65 235.877,211.948 235.877,214.371 237.138,215.632 238.271,215.632 238.326,215.577 238.643,215.577 238.698,215.632 239.681,215.632 239.874,215.826 239.874,216.759 239.874,216.809 239.934,216.868 239.934,217.573 239.519,217.987 v2(239.519,218.025)
EXT3.LVDS_P6: IC4.M18 J12.20 | length 87.6
  TopLayer w0.095: IC4.M18@241.991,218.515 242.376,218.9 v2(242.494,218.9)
  MidLayer2 w0.115: J12.20@208.244,172.985 207.649,172.39 207.471,172.39 207.217,172.644 207.217,173.939 207.591,174.314 209.122,174.314 ccw(c209.122,174.756) 209.564,174.756 209.564,174.806 cw(c209.772,174.806) 209.979,174.806 209.979,174.056 ccw(c210.422,174.056) 210.864,174.056 210.864,174.132 cw(c211.046,174.132) 211.046,174.314 211.27,174.314 211.428,174.472 ccw(c211.115,174.785) 211.558,174.785 ccw(c211.115,174.785) 211.428,175.098 211.393,175.133 cw(c211.54,175.28) 211.393,175.426 cw(c211.54,175.28) 211.686,175.427 212.217,174.896 ccw(c212.53,175.209) 212.972,175.209 ccw(c212.53,175.209) 212.843,175.522 212.312,176.052 cw(c212.459,176.199) 212.312,176.345 cw(c212.459,176.199) 212.606,176.346 213.136,175.815 ccw(c213.449,176.128) 213.891,176.128 ccw(c213.449,176.128) 213.762,176.441 213.231,176.972 cw(c213.378,177.118) 213.231,177.265 ; 213.231,177.265 cw(c213.378,177.118) 213.525,177.265 214.055,176.735 ccw(c214.368,177.048) 214.811,177.048 ccw(c214.368,177.048) 214.681,177.36 214.151,177.891 cw(c214.297,178.038) 214.15,178.184 ; 214.151,178.184 cw(c214.297,178.038) 214.444,178.184 214.974,177.654 ccw(c215.287,177.967) 215.73,177.967 ccw(c215.287,177.967) 215.6,178.28 215.07,178.81 cw(c215.217,178.957) 215.069,179.103 cw(c215.217,178.957) 215.363,179.104 215.399,179.068 ccw(c215.712,179.381) 216.025,179.068 216.488,179.531 216.488,181.575 216.488,181.782 216.488,181.99 cw(c216.695,181.99) 216.695,182.197 216.95,182.197 ccw(c216.95,182.405) 217.157,182.405 ccw(c216.95,182.405) 216.95,182.612 216.695,182.612 cw(c216.695,182.82) 216.488,182.82 216.488,183 216.488,196.329 217.365,197.206 225.939,197.206 228.225,199.492 229.749,199.492 231.247,200.99 231.385,201.128 231.385,202.774 231.712,203.101 231.712,204.664 234.268,207.22 234.268,208.965 235.67,210.368 236.736,210.368 237.098,210.729 237.098,211.119 237.121,211.141 237.121,213.023 237.123,213.025 237.123,214.169 237.347,214.393 237.696,214.393 237.71,214.379 240.718,214.379 241.109,214.77 241.109,216.695 241.175,216.761 241.175,217.292 241.109,217.358 241.109,219.04 241.344,219.275 242.119,219.275 v2(242.494,218.9)
EXT3.LVDS_P7: IC4.N18 J12.23 | length 90.2
  TopLayer w0.095: IC4.N18@241.991,217.515 242.574,216.933 v2(242.574,216.925) 242.544,216.925 v2@242.519,216.949
  MidLayer2 w0.115: J12.23@205.704,168.148 206.789,168.148 206.856,168.081 206.856,167.38 207.518,166.719 220.85,166.719 228.807,174.676 228.807,178.739 229.538,179.47 234.238,179.47 236.833,182.065 236.833,184.586 238.357,186.11 238.357,188.869 241.603,192.116 242.4,192.116 242.595,192.116 243.412,192.933 243.412,193.924 244.143,194.656 245.225,194.656 245.994,195.425 245.994,199.107 246.663,199.775 246.663,205.772 247.424,206.533 247.424,206.897 249.218,208.691 249.218,214.728 249.514,215.024 249.514,216.235 248.171,217.578 246.802,217.578 246.747,217.632 245.236,217.632 245.181,217.578 243.39,217.578 242.737,216.925 v2(242.574,216.925)
EXT4.LVDS_N0: IC4.V19 J13.3 | length 49.6
  TopLayer w0.095: IC4.V19@242.991,212.515 v2(243.491,212.015)
  MidLayer2 w0.115: J13.3@217.823,193.548 219.093,194.818 220.995,194.818 221.408,194.405 ccw(c221.721,194.717) 222.034,194.405 222.07,194.44 cw(c222.216,194.293) 222.363,194.44 ; 222.363,194.44 cw(c222.216,194.293) 222.424,194.293 cw(c222.216,194.293) 222.363,194.146 221.833,193.616 ccw(c222.146,193.303) 222.458,192.99 222.494,193.026 cw(c222.641,192.879) 222.787,193.026 223.313,192.5 225.145,192.5 225.303,192.658 cw(c225.45,192.512) 225.597,192.658 225.632,192.623 ccw(c225.945,192.936) 226.258,192.623 ccw(c225.945,192.936) 226.387,192.936 ccw(c225.945,192.936) 226.258,193.249 225.727,193.779 cw(c225.874,193.926) 225.727,194.072 cw(c225.874,193.926) 226.021,194.073 226.551,193.542 ccw(c226.864,193.855) 227.177,193.542 ccw(c226.864,193.855) 227.307,193.855 ccw(c226.864,193.855) 227.177,194.168 226.647,194.698 cw(c226.793,194.845) 226.647,194.992 cw(c226.793,194.845) 226.94,194.992 227.47,194.461 ccw(c227.783,194.774) 228.096,194.461 ccw(c227.783,194.774) 228.226,194.774 ccw(c227.783,194.774) 228.096,195.087 227.566,195.618 cw(c227.713,195.764) 227.565,195.911 ; 227.566,195.911 cw(c227.713,195.764) 227.859,195.911 227.895,195.876 ccw(c228.208,196.189) 228.52,195.876 228.736,196.091 228.736,196.779 229.162,197.206 231.959,197.206 236.554,201.801 236.554,206.784 237.054,207.285 237.054,207.687 239.109,209.741 239.109,211.173 239.353,211.418 239.686,211.418 239.761,211.493 240.661,211.493 241.023,211.854 241.023,212.087 241.333,212.397 241.608,212.397 241.714,212.397 242.109,212.003 242.109,211.857 242.333,211.632 243.109,211.632 v2(243.491,212.015)
EXT4.LVDS_N1: IC4.Y22 J13.6 | length 51.6
  TopLayer w0.095: IC4.Y22@245.991,210.515 v2(246.491,210.015)
  SignalLayer1 w0.115: v2(227.35,202.9) 227.387,202.937 227.387,203.124 228.095,203.832 229.788,203.832 230.196,204.24 232.547,204.24 234.904,206.597 237.122,206.597 237.922,207.397 242.686,207.397 242.791,207.502 243.19,207.502 243.295,207.397 245.747,207.397 246.109,207.759 246.109,209.505 246.109,209.948 246.176,210.015 v2(246.491,210.015)
  BottomLayer w0.095: J13.6@220.363,191.008 219.259,191.008 219.203,191.064 219.203,191.837 219.45,192.083 221.405,192.083 221.8,192.478 ccw(c221.504,192.773) 221.922,192.773 ccw(c221.504,192.773) 221.8,193.068 221.739,193.129 cw(c221.879,193.268) 221.739,193.407 ; 221.74,193.408 cw(c221.879,193.268) 222.019,193.408 222.574,192.853 ccw(c222.869,193.148) 223.164,192.853 ccw(c222.869,193.148) 223.287,193.148 ccw(c222.869,193.148) 223.164,193.443 222.609,193.998 cw(c222.749,194.138) 222.609,194.277 ; 222.61,194.278 cw(c222.749,194.138) 222.889,194.278 223.444,193.723 ccw(c223.739,194.018) 224.034,193.723 ccw(c223.739,194.018) 224.156,194.018 ccw(c223.739,194.018) 224.034,194.313 223.479,194.868 cw(c223.619,195.008) 223.479,195.147 ; 223.479,195.147 cw(c223.619,195.008) 223.758,195.147 223.818,195.087 ccw(c224.114,195.382) 224.409,195.087 225.302,195.98 225.302,196.467 ccw(c224.884,196.467) 224.884,196.885 224.799,196.885 cw(c224.799,197.082) 224.602,197.082 cw(c224.799,197.082) 224.799,197.28 225.584,197.28 ccw(c225.584,197.697) 226.002,197.697 ccw(c225.584,197.697) 225.584,198.115 224.799,198.115 cw(c224.799,198.312) 224.602,198.312 cw(c224.799,198.312) 224.799,198.51 225.584,198.51 ccw(c225.584,198.927) 226.002,198.927 ccw(c225.584,198.927) 225.584,199.345 225.499,199.345 cw(c225.499,199.542) 225.302,199.542 225.302,199.69 226.9,201.288 226.9,202.549 227.133,202.782 227.163,202.782 227.25,202.869 227.319,202.869 v2(227.35,202.9)
EXT4.LVDS_N2: IC4.W17 J13.9 | length 48
  TopLayer w0.095: IC4.W17@240.991,211.515 v2(241.491,211.015)
  MidLayer2 w0.115: J13.9@217.823,185.928 219.061,187.166 221.968,187.166 222.126,187.324 ccw(c221.813,187.637) 222.256,187.637 ccw(c221.813,187.637) 222.126,187.95 222.091,187.986 cw(c222.237,188.132) 222.09,188.279 cw(c222.237,188.132) 222.384,188.279 222.914,187.749 ccw(c223.227,188.062) 223.54,187.749 ccw(c223.227,188.062) 223.67,188.062 ccw(c223.227,188.062) 223.54,188.374 223.01,188.905 cw(c223.157,189.051) 223.009,189.198 ; 223.01,189.199 cw(c223.157,189.051) 223.303,189.198 223.834,188.668 ccw(c224.147,188.981) 224.459,188.668 ccw(c224.147,188.981) 224.589,188.981 ccw(c224.147,188.981) 224.459,189.294 223.929,189.824 cw(c224.076,189.971) 223.929,190.117 ; 223.929,190.117 cw(c224.076,189.971) 224.223,190.117 224.753,189.587 ccw(c225.066,189.9) 225.379,189.587 ccw(c225.066,189.9) 225.508,189.9 ccw(c225.066,189.9) 225.379,190.213 224.848,190.743 cw(c224.995,190.89) 224.848,191.036 ; 224.848,191.037 cw(c224.995,190.89) 225.142,191.037 225.672,190.506 ccw(c225.985,190.819) 226.298,190.506 ccw(c225.985,190.819) 226.428,190.819 ccw(c225.985,190.819) 226.298,191.132 226.263,191.168 cw(c226.409,191.314) 226.263,191.461 229.461,194.659 232.964,194.659 233.835,195.53 233.835,197.736 237.425,201.326 237.494,201.394 237.494,206.809 240.719,210.035 240.719,210.243 241.344,210.867 v2(241.491,211.015)
EXT4.LVDS_N3: IC4.W22 J13.12 | length 50
  TopLayer w0.095: IC4.W22@245.991,211.515 v2@246.371,211.135
  MidLayer2 w0.115: J13.12@220.363,183.388 219.278,183.388 219.211,183.455 219.211,184.061 219.573,184.423 221.411,184.423 229.184,192.195 233.029,192.195 235.478,194.644 235.478,195.128 cw(c235.685,195.128) 235.685,195.336 235.735,195.336 ccw(c235.735,195.778) 236.178,195.778 ccw(c235.735,195.778) 235.735,196.221 234.985,196.221 cw(c234.985,196.428) 234.985,196.636 235.735,196.636 ccw(c235.735,197.078) 236.178,197.078 236.178,198.554 239.031,201.408 239.1,201.477 239.1,206.714 239.781,207.395 cw(c239.928,207.248) 240.075,207.395 240.11,207.36 ccw(c240.423,207.673) 240.865,207.673 ccw(c240.423,207.673) 240.736,207.986 240.7,208.021 cw(c240.847,208.168) 240.7,208.314 240.824,208.438 cw(c240.922,208.341) 241.019,208.438 241.104,208.354 ccw(c241.417,208.666) 241.859,208.666 ccw(c241.417,208.666) 241.73,208.979 241.694,209.015 cw(c241.841,209.161) 241.694,209.308 241.783,209.397 242.217,209.397 242.242,209.373 242.753,209.373 242.777,209.397 243.76,209.397 244.109,209.746 244.109,210.173 244.333,210.397 245.206,210.397 245.441,210.632 245.65,210.632 246.153,211.135 v2(246.381,211.135)
EXT4.LVDS_N4: IC4.AB18 J13.15 | length 50.6
  TopLayer w0.095: IC4.AB18@241.991,208.515 242.472,208.035 v2(242.406,208.035)
  MidLayer2 w0.115: J13.15@217.823,178.308 219.112,179.597 221.411,179.597 223.574,181.76 223.574,183.744 223.664,183.833 ccw(c223.351,184.146) 223.793,184.146 ccw(c223.351,184.146) 223.664,184.459 223.628,184.494 cw(c223.775,184.641) 223.628,184.787 cw(c223.775,184.641) 223.922,184.788 224.452,184.257 ccw(c224.765,184.57) 225.078,184.257 ccw(c224.765,184.57) 225.208,184.57 ccw(c224.765,184.57) 225.078,184.883 224.548,185.413 cw(c224.694,185.56) 224.547,185.706 ; 224.548,185.707 cw(c224.694,185.56) 224.841,185.707 225.371,185.176 ccw(c225.684,185.489) 225.997,185.176 ccw(c225.684,185.489) 226.127,185.489 ccw(c225.684,185.489) 225.997,185.802 225.467,186.333 cw(c225.614,186.479) 225.466,186.626 ; 225.467,186.626 cw(c225.614,186.479) 225.76,186.626 226.291,186.096 ccw(c226.604,186.409) 226.916,186.096 ccw(c226.604,186.409) 227.046,186.409 ccw(c226.604,186.409) 226.916,186.721 226.881,186.757 cw(c227.028,186.904) 226.881,187.05 229.461,189.63 230.91,189.63 230.972,189.692 231.289,189.692 231.35,189.63 233.068,189.63 233.897,190.459 233.897,191.145 237.189,194.437 237.189,197.739 241.56,202.11 241.56,206.029 242.406,206.875 v2(242.406,208.035)
EXT4.LVDS_N5: IC4.AB20 J13.18 | length 48.4
  TopLayer w0.095: IC4.AB20@243.991,208.515 v2(244.491,208.015)
  MidLayer2 w0.115: J13.18@220.363,175.768 219.278,175.768 219.211,175.835 219.211,176.625 219.439,176.854 221.919,176.854 225.175,180.109 225.175,182.829 229.41,187.065 233.245,187.065 234.967,188.787 234.967,190.59 238.637,194.259 238.637,195.875 242.129,199.368 242.129,200.475 242.821,201.167 242.821,205.139 244.148,206.466 244.148,207.882 244.281,208.015 v2(244.491,208.015)
EXT4.LVDS_N6: IC4.AA21 J13.21 | length 54
  TopLayer w0.095: IC4.AA21@244.991,209.515 v2(245.491,209.015)
  MidLayer2 w0.115: J13.21@217.823,170.688 219.087,171.952 220.876,171.952 226.47,177.546 226.47,181.654 229.366,184.55 233.499,184.55 234.526,185.576 234.526,186.617 236.249,188.341 236.249,190.119 239.754,193.624 239.754,195.351 243.031,198.628 243.031,200.125 244.698,201.792 244.698,205.44 245.109,205.851 245.109,208.632 v2(245.491,209.015)
EXT4.LVDS_N7: IC4.AB22 J13.24 | length 55.8
  TopLayer w0.095: IC4.AB22@245.991,208.515 v2(246.491,208.015)
  MidLayer2 w0.115: J13.24@220.363,168.148 220.121,168.148 219.444,168.825 219.444,168.996 219.656,169.208 220.85,169.208 227.74,176.098 227.74,180.213 229.512,181.985 232.991,181.985 235.688,184.681 235.688,186.057 237.392,187.761 237.392,189.431 240.948,192.987 240.948,194.132 241.526,194.71 242.747,194.71 243.469,195.432 243.469,196.552 244.694,197.777 244.694,199.319 244.698,199.323 244.698,199.897 244.694,199.9 244.694,200.495 245.875,201.675 245.875,206.243 246.109,206.477 246.109,207.632 v2(246.491,208.015)
EXT4.LVDS_P0: IC4.V18 J13.2 | length 49.3
  TopLayer w0.095: IC4.V18@241.991,212.515 v2(242.491,212.015)
  MidLayer2 w0.115: J13.2@220.018,196.088 219.434,195.504 219.434,195.275 219.656,195.053 221.092,195.053 221.575,194.571 ccw(c221.721,194.717) 221.868,194.571 221.903,194.606 cw(c222.216,194.293) 222.659,194.293 cw(c222.216,194.293) 222.529,193.98 221.999,193.45 ccw(c222.146,193.303) 221.998,193.157 ccw(c222.146,193.303) 222.292,193.157 222.328,193.192 cw(c222.641,192.879) 222.953,193.192 223.41,192.735 225.048,192.735 225.137,192.825 cw(c225.45,192.512) 225.763,192.825 225.798,192.789 ; 225.798,192.789 ccw(c225.945,192.936) 226.091,192.789 ; 226.092,192.789 ccw(c225.945,192.936) 226.152,192.936 ccw(c225.945,192.936) 226.092,193.083 225.561,193.613 cw(c225.874,193.926) 225.561,194.239 cw(c225.874,193.926) 226.187,194.239 226.717,193.708 ccw(c226.864,193.855) 227.01,193.708 ; 227.011,193.709 ccw(c226.864,193.855) 227.072,193.855 ccw(c226.864,193.855) 227.011,194.002 226.48,194.532 cw(c226.793,194.845) 226.48,195.158 cw(c226.793,194.845) 227.106,195.158 227.637,194.628 ccw(c227.783,194.774) 227.93,194.627 ccw(c227.783,194.774) 227.991,194.774 ccw(c227.783,194.774) 227.93,194.921 227.4,195.451 cw(c227.713,195.764) 227.4,196.077 cw(c227.713,195.764) 228.025,196.077 228.061,196.042 ccw(c228.208,196.189) 228.354,196.042 228.501,196.189 228.501,196.876 229.065,197.441 231.861,197.441 233.446,199.025 233.614,199.193 ccw(c233.467,199.34) 233.614,199.487 233.439,199.662 cw(c233.585,199.809) 233.439,199.956 cw(c233.585,199.809) 233.732,199.956 233.908,199.78 ccw(c234.054,199.927) 234.201,199.78 234.348,199.927 234.494,200.074 236.06,201.64 236.319,201.898 236.319,206.882 236.819,207.382 236.819,207.784 237.498,208.462 237.525,208.489 237.672,208.636 ccw(c237.525,208.783) 237.672,208.93 237.47,209.131 cw(c237.617,209.278) 237.47,209.425 cw(c237.617,209.278) 237.764,209.425 237.965,209.223 ccw(c238.112,209.37) 238.259,209.223 238.405,209.37 238.552,209.517 238.874,209.838 238.874,211.271 239.256,211.653 239.589,211.653 239.664,211.728 240.564,211.728 240.788,211.952 240.788,212.185 241.236,212.632 241.812,212.632 v2@242.429,212.015 ; v2@242.46,211.984 v2(242.491,212.015)
EXT4.LVDS_P1: IC4.Y21 J13.5 | length 51.5
  TopLayer w0.095: IC4.Y21@244.991,210.515 v2(245.491,210.015)
  SignalLayer1 w0.115: v2(226.996,203.254) 227.033,203.291 227.221,203.291 227.998,204.067 229.691,204.067 230.098,204.475 230.312,204.475 232.449,204.475 234.806,206.832 237.025,206.832 237.825,207.632 242.589,207.632 242.693,207.737 243.288,207.737 243.392,207.632 245.65,207.632 245.874,207.857 245.874,209.407 245.874,209.948 245.807,210.015 v2(245.491,210.015)
  BottomLayer w0.095: J13.5@217.823,191.008 218.872,191.008 218.983,191.119 218.983,191.928 219.359,192.303 221.314,192.303 221.644,192.634 ccw(c221.504,192.773) 221.702,192.773 ccw(c221.504,192.773) 221.644,192.913 221.584,192.973 cw(c221.879,193.268) 221.584,193.563 cw(c221.879,193.268) 222.174,193.563 222.729,193.008 ccw(c222.869,193.148) 223.009,193.008 ; 223.009,193.009 ccw(c222.869,193.148) 223.067,193.148 ccw(c222.869,193.148) 223.009,193.288 222.454,193.843 cw(c222.749,194.138) 222.454,194.433 cw(c222.749,194.138) 223.044,194.433 223.599,193.878 ccw(c223.739,194.018) 223.878,193.878 ccw(c223.739,194.018) 223.936,194.018 ccw(c223.739,194.018) 223.878,194.157 223.323,194.712 cw(c223.619,195.008) 223.323,195.303 cw(c223.619,195.008) 223.914,195.303 223.974,195.243 ccw(c224.114,195.382) 224.253,195.243 225.082,196.071 225.082,196.467 ccw(c224.884,196.467) 224.884,196.665 224.799,196.665 cw(c224.799,197.082) 224.382,197.082 cw(c224.799,197.082) 224.799,197.5 225.584,197.5 ccw(c225.584,197.697) 225.782,197.697 ccw(c225.584,197.697) 225.584,197.895 224.799,197.895 cw(c224.799,198.312) 224.382,198.312 cw(c224.799,198.312) 224.799,198.73 225.584,198.73 ccw(c225.584,198.927) 225.782,198.927 ccw(c225.584,198.927) 225.584,199.125 225.499,199.125 cw(c225.499,199.542) 225.082,199.542 225.082,199.781 226.68,201.379 226.68,202.64 226.977,202.938 226.977,203.054 ; v2@226.966,203.098 226.966,203.223 v2(226.996,203.254)